# Altium PCB AEX1_PiOBD_V0.2_ALLPCB_6L.PcbDoc (part 3 of 4) (continued)
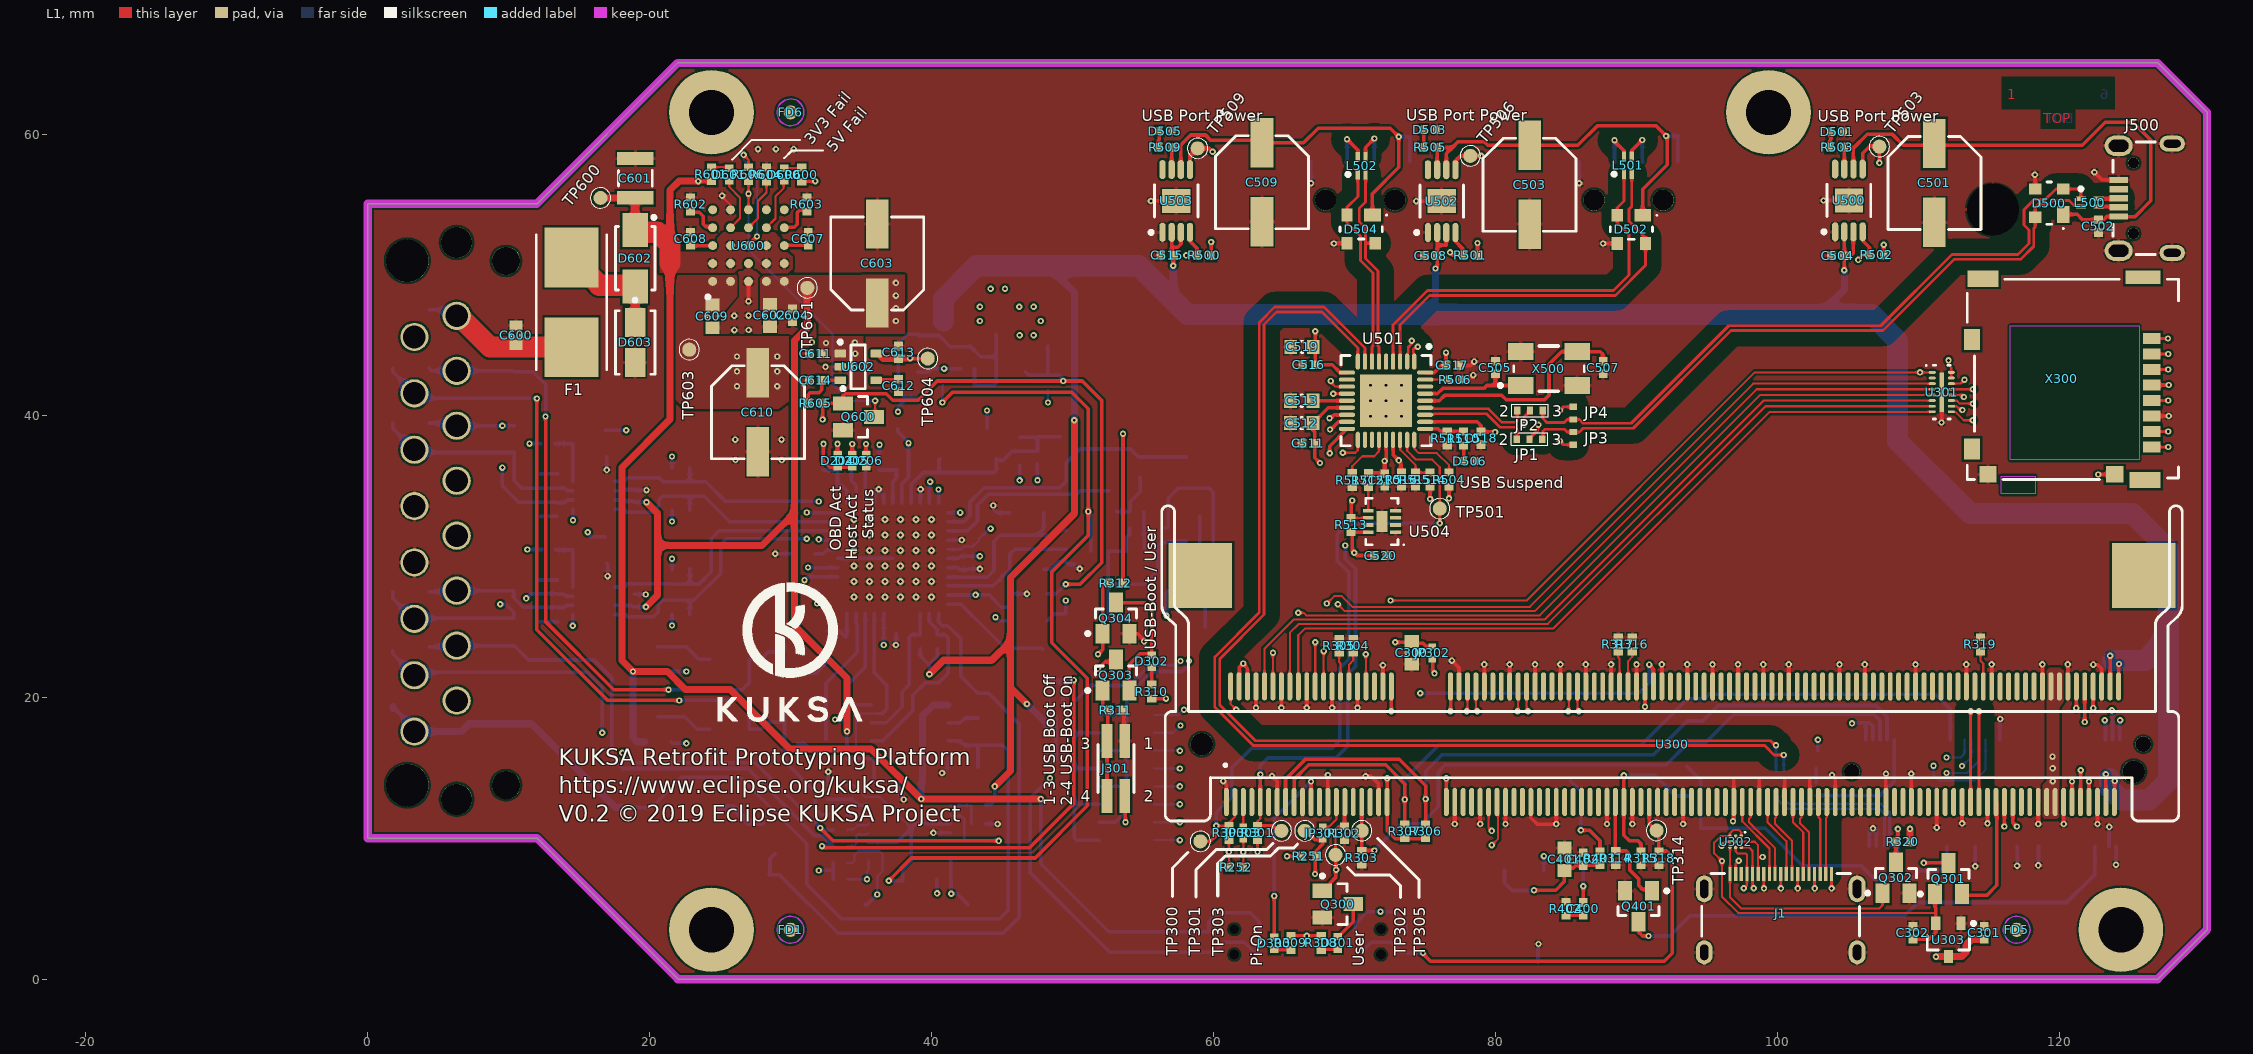
[diagram p0: L1 view]
## Nets (pads, with @x,y where several pads share a name; then routed paths per layer and width w, separated by ;. In a path a pad name is that pad's centre, name@x,y a point inside that pad or via, vN(x,y) a via of type N, cw(c..) or ccw(c..) an arc to the next point about the centre after c; other vN are vias at no path point) (continued)
  L6 w0.25: C204.2@18.897,27.346 19.711,27.346 v1(19.73,27.327) ; U203.26@41.15,31.192 v1(42.15,31.192) ; P400.3@106.546,9.479 106.546,10.484 v1(106.796,10.734) 107.046,10.484 P400.5@107.046,9.479
  L6 w0.254: Q208.S@16.958,29.535 17.018,29.475 v1(17.018,28.635) ; v1(16.958,36.17) Q212.S@16.958,37.086 ; U206.2@17.578,34.685 18.255,34.685 18.35,34.779 C210.2@18.862,34.779 18.907,34.735 v1(19.783,34.735) ; v1(28.919,30.218) 28.92,30.217 C209.1@30.15,30.217 ; R209.2@32.654,13.809 32.664,13.819 32.664,14.744 v1(32.674,14.754) ; U203.6@33.35,29.892 U203.45@37.25,29.892 ; U203.15@35.95,33.792 35.95,34.489 v1(36.256,34.795) 36.6,34.451 U203.16@36.6,33.792 ; v1(37.47,23.746) 37.5,23.775 C202.1@37.5,24.586 ; C201.1@37.681,13.919 37.681,13.129 v1(38.027,12.783) ; U203.20@39.2,33.792 39.2,34.765 v1(39.23,34.795) ; v1(40.132,10.414) U200.11@41.323,10.414 ; v1(40.755,14.663) 41.175,15.083 U201.8@41.175,15.687 ; U203.29@41.15,29.242 41.856,29.242 42.018,29.08 42.557,29.08 C207.1@42.618,29.141 43.427,29.141 v1(43.434,29.148) ; R249.1@43.823,11.064 43.835,11.053 44.678,11.053 v1(44.69,11.042) ; v1(44.384,33.643) 44.384,33.421 44.684,33.122 X200.2@45.564,33.122 ; U202.3@45.675,27.375 46.761,27.375 v1(46.764,27.372) ; X200.4@47.964,29.122 48.497,29.122 49.015,29.64 C215.2@49.547,29.64 49.73,29.457 50.163,29.457 50.462,29.158 v1(50.515,29.158) ; v1(66.921,56.512) 66.923,56.513 J502.4@66.923,58.018 ; X400.7@83.032,1.241 83.032,2.498 v1(83.066,2.531) ; v1@85.959,56.513 J501.4@85.959,58.018 ; P400.11@108.546,9.479 108.546,8.072 108.565,8.053 ; P400.33@114.046,9.479 114.046,8.062 v1(114.055,8.053) ; P400.40@115.796,17.029 115.796,18.469 v1(115.824,18.497) ; v1(117.025,8.083) 117.046,8.104 P400.45@117.046,9.479 ; v1(118.531,8.11) 118.546,8.125 P400.51@118.546,9.479 ; P400.71@123.546,9.479 123.546,10.827 v1(123.559,10.84) ; v1(124.046,8.161) P400.73@124.046,9.479
  other v1: 99.064,6.479 101.464,6.479 102.664,6.479 111.325,10.792 78.931,11.042 80.731,11.042 87.931,11.042 89.731,11.042 93.331,11.042 118.531,11.042 120.331,11.042 122.731,11.042 79.219,22.372 81.019,22.372 82.819,22.372 84.619,22.372 86.419,22.372 88.219,22.372 90.019,22.372 91.819,22.372 93.619,22.372 95.419,22.372 97.219,22.372 99.019,22.372 100.819,22.372 104.419,22.372 106.219,22.372 109.819,22.372 113.419,22.372 115.219,22.372 118.819,22.372 120.619,22.372 26.088,36.872 29.372,36.872 26.069,38.32 29.353,38.32 32.482,43.48 34.589,43.48 31.517,45.235 26.013,46.091 27.026,46.102 26.002,47.103 27.014,47.115 85.957,56.512 27.686,58.928 28.956,58.928 30.226,58.928
  other v2: 34.5,27.142 35.6,27.142 36.7,27.142 37.8,27.142 38.9,27.142 40,27.142 34.5,28.242 35.6,28.242 36.7,28.242 37.8,28.242 38.9,28.242 40,28.242 34.5,29.342 35.6,29.342 36.7,29.342 37.8,29.342 38.9,29.342 40,29.342 34.5,30.442 35.6,30.442 36.7,30.442 37.8,30.442 38.9,30.442 40,30.442 34.5,31.542 35.6,31.542 36.7,31.542 37.8,31.542 38.9,31.542 40,31.542 34.5,32.642 35.6,32.642 36.7,32.642 37.8,32.642 38.9,32.642 40,32.642 71.15,39.979 72.25,39.979 73.35,39.979 71.15,41.079 72.25,41.079 73.35,41.079 71.15,42.179 72.25,42.179 73.35,42.179
H5V: C302.2 J1.18 Q301.G U302.A1 U302.C1 U303.2 | length 29.2
  L1 w0.15: J1.18@97.054,7.49 97.054,8.208 v1(97.282,8.436) ; U302.A1@97.454,10.185 97.454,10.449 97.285,10.619 96.875,10.619 96.654,10.398 U302.C1@96.654,10.185 95.988,10.185 95.529,9.727 95.529,8.975 v1(96.088,8.416) 96.088,5.88 97.23,4.739 111.176,4.739
  L1 w0.254: C302.2@109.633,2.879 110.78,2.879 111.252,3.35 111.252,3.987 U303.2@111.256,3.992 111.256,5.106 111.206,5.156 Q301.G@111.206,6.079
  L3 w0.15: v1(96.088,8.416) 97.262,8.416 v1(97.282,8.436)
HDMI_CEC: Q301.S U300.171 | length 8.7
  L1 w0.254: Q301.S@113.106,5.979 114.868,5.979 115.586,6.697 115.586,12.546 U300.171@115.525,12.607
HDMI_HPD: J1.19 Q302.G U302.C3 | length 15.6
  L1 w0.15: U302.C3@96.654,9.385 J1.19@96.654,7.49 96.654,5.855 97.467,5.042 107.229,5.042 107.477,5.289 Q302.G@107.477,6.136
HDMI_HPD_N_1V8: Q302.D R320.1 U300.88 | length 40.1
  L1 w0.254: v1@90.625,19.453 U300.88@90.625,20.807 ; Q302.D@108.427,8.436 R320.1@108.427,9.775 108.565,9.913 v1(108.565,10.7)
  L3 w0.254: v1(90.625,19.369) 90.625,16.953 92.346,15.232 103.75,15.232 105.021,16.503 113.25,16.503 114.046,15.707 114.046,13.816 112.022,11.792 109.081,11.792 108.565,11.276 v1(108.565,10.7)
HDMI_SCL: J1.15 U300.175 U302.A3 | length 27.6
  L1 w0.15: U302.A3@97.454,9.385 98,9.385 98.254,9.131 J1.15@98.254,7.49 98.254,6.57 v1(98.336,6.489) ; v1@98.254,6.489 98.254,6.416 v1@98.259,6.412
  L1 w0.254: U300.175@116.725,12.607 116.725,11.154 v1(117.007,10.871)
  L3 w0.254: v1(98.336,6.489) 98.336,9.141 98.674,9.479 115.562,9.479 116.954,10.871 v1(117.007,10.871)
HDMI_SDA: J1.16 U300.173 U302.B3 | length 27.3
  L1 w0.15: U302.B3@97.054,9.385 97.054,9.11 97.217,8.947 97.79,8.947 97.854,8.883 J1.16@97.854,7.49 97.854,6.716 v1(97.627,6.489)
  L1 w0.254: v1(116.125,10.864) U300.173@116.125,12.607
  L3 w0.254: v1(97.627,6.489) 97.854,6.717 97.854,9.475 98.422,10.042 115.303,10.042 v1(116.125,10.864)
HS_CAN_RX: R223.1 TP211.1 U203.10 U206.4 | length 18.3
  L6 w0.254: U206.4@17.578,33.385 18.183,33.385 18.391,33.177 20.203,33.177 20.648,33.622 20.648,34.035 20.916,34.303 R223.1@21.59,34.303 22.86,34.303 ; TP211.1@22.86,33.303 22.86,34.303 ; U203.10@33.35,32.492 31.184,32.492 31.184,32.5 25.679,32.5 23.876,34.303 22.86,34.303
HS_CAN_TX: R221.1 TP212.1 U203.8 U206.1 | length 20.3
  L3 w0.254: v1(32.001,31.239) 32.001,33.928 v1(32.004,33.932)
  L6 w0.254: U206.1@17.578,35.335 17.578,35.366 18.186,35.366 18.437,35.617 20.669,35.617 20.952,35.335 R221.1@21.59,35.335 22.86,35.335 ; TP212.1@22.86,36.331 22.86,35.335 ; v1(32.001,31.239) 32.048,31.192 U203.8@33.35,31.192 ; v1(32.004,33.932) 25.382,33.932 23.979,35.335 22.86,35.335
ISO_K_RX: R212.2 TP203.1 U203.43 | length 9.9
  L6 w0.254: R212.2@32.512,17.067 32.512,21.034 TP203.1@34.046,22.568 34.727,23.249 34.727,25.202 34.65,25.279 U203.43@34.65,25.992
ISO_L_TX: R211.1 TP202.1 U203.44 | length 3.2
  L6 w0.254: R211.1@32.602,24.745 33.463,24.745 TP202.1@33.916,24.292 34,24.375 U203.44@34,25.992
ISO_RX: R204.1 U200.1 U203.21 | length 35
  L3 w0.15: v1(35.418,7.123) 35.418,11.034 40.894,16.51 40.894,33.398 39.878,34.414 v1@39.878,35.136
  L6 w0.15: R204.1@34.028,7.123 v1(35.418,7.123) 35.418,7.667 35.523,7.772 U200.1@35.523,8.464
  L6 w0.254: U203.21@39.85,33.792 39.85,35.275 v1(39.904,35.329)
J1850_BUS+: D102.2 D200.3 P100.2 R228.2 R236.2 R246.2 TP108.1 | length 80.9
  L1 w0.254: v1(32.106,10.768) 32.106,10.756 33.012,9.85 v1(44.766,9.85)
  L3 w0.254: v1(16.632,17.526) v1(18.068,16.09) ; v1(44.766,9.85) 46.326,9.85 49.53,13.054 49.53,23.78 51.561,25.81 v1(56.668,25.81)
  L6 w0.254: TP108.1@1.778,23.31 1.778,23.135 P100.2@3.311,21.601 3.511,21.801 D102.2@10.397,21.801 15.596,21.801 16.632,20.766 v1(16.632,17.526) ; v1(18.068,16.09) 18.768,15.39 27.503,15.39 32.289,10.604 R236.2@33.028,10.604 ; R246.2@43.823,9.869 44.747,9.869 v1(44.766,9.85) ; v1(56.668,25.81) R228.2@56.668,26.67 56.668,27.446 57.26,28.037 D200.3@57.26,29.002
J1850_BUS+_TX: Q211.G R231.2 TP213.1 U203.24 | length 20.7
  L6 w0.254: U203.24@41.15,32.492 42.309,32.492 42.729,32.912 42.729,33.899 43.74,34.91 49.105,34.91 TP213.1@49.547,35.351 49.547,36.656 50.546,37.656 54.102,37.656 54.671,37.087 R231.2@56.789,37.087 58.078,37.087 Q211.G@58.084,37.081
J1850_BUS+_VH: Q210.G U203.25 | length 13.3
  L6 w0.254: U203.25@41.15,31.842 42.553,31.842 43.261,32.549 43.261,33.664 44.039,34.442 50.292,34.442 50.541,34.691 Q210.G@52.602,34.691
J1850_BUS-: D102.1 P100.10 Q213.D R235.2 R237.1 TP104.1 | length 69.7
  L1 w0.254: v1(32.227,9.479) 32.358,9.348 46.94,9.348 50.094,12.502 v1(50.094,21.256)
  L6 w0.254: TP104.1@4.356,23.622 6.232,23.622 P100.10@6.311,23.701 D102.1@10.397,23.701 11.418,22.681 16.049,22.681 17.324,21.406 17.324,15.748 18.086,14.986 26.95,14.986 31.736,10.2 32.306,10.2 R235.2@33.028,9.479 v1(32.227,9.479) ; R237.1@49.306,19.74 49.306,20.221 49.207,20.32 49.207,20.883 Q213.D@48.834,21.256 v1(50.094,21.256)
J1850_BUS-_TX: Q213.G R245.2 TP218.1 U203.33 | length 8.1
  L6 w0.254: U203.33@41.15,26.642 42.097,26.642 TP218.1@44.339,24.4 45.225,23.513 R245.2@46.383,23.513 47.827,23.513 Q213.G@47.884,23.456
K-LINE: D101.2 P100.7 Q204.3 R206.2 R208.1 TP105.1 | length 58.3
  L1 w0.254: v1(12,41.24) 12,24.83 17.018,19.812 v1(22.098,19.812)
  L6 w0.254: TP105.1@1.778,43.369 1.778,43.135 P100.7@3.311,41.601 3.673,41.24 D101.2@10.361,41.24 v1(12,41.24) ; v1(22.098,19.812) 26.578,19.812 27.054,19.336 R208.1@27.054,17.767 27.91,17.767 28.412,18.269 29.419,18.269 Q204.3@29.567,18.417 ; Q204.3@29.567,18.782 Q204.3@29.567,18.417 ; R206.2@33.028,11.71 32.186,11.71 31.75,12.146 31.75,13.311 29.567,15.494 Q204.3@29.567,18.417
MS_CAN_RX: R224.1 TP204.1 U203.11 U204.4 | length 22.7
  L3 w0.254: v1(31.153,31.289) v1(31.153,33.144)
  L6 w0.254: U204.4@17.568,25.91 18.287,25.91 18.456,25.74 20.274,25.74 20.615,26.08 20.615,26.599 20.941,26.925 R224.1@21.59,26.925 22.86,26.925 ; TP204.1@22.86,25.905 22.86,26.925 ; v1(31.153,31.289) 25.451,31.289 25.036,30.875 25.036,28.826 23.136,26.925 22.86,26.925 ; v1(31.153,33.144) 31.05,33.144 31.048,33.142 U203.11@33.35,33.142
MS_CAN_TX: R222.1 TP205.1 U203.9 U204.1 | length 19.9
  L6 w0.254: U204.1@17.568,27.86 18.211,27.86 18.456,28.105 21.557,28.105 R222.1@21.59,28.072 22.86,28.072 ; TP205.1@22.86,29.149 22.86,28.072 ; U203.9@33.35,31.842 24.922,31.842 24.37,31.289 24.37,28.939 23.503,28.072 22.86,28.072
NetC200_2: C200.2 D100.1 P100.1 R202.2 R203.2 TP109.1 U201.7 | length 72.1
  L6 w0.25: TP109.1@1.778,19.369 3.311,17.835 P100.1@3.311,17.601 ; R203.2@18.692,12.212 20.106,12.212 22.255,14.36 26.437,14.36 31.15,9.647 31.15,6.784 33.616,4.318 44.837,4.318 45.437,4.918 ; U201.7@41.175,16.957 41.967,16.957 42.15,16.774
  L6 w0.254: 41.967,16.957 42.027,16.957 42.35,16.634 R202.2@43.3,16.634 ; C200.2@43.275,15.075 43.3,15.1 R202.2@43.3,16.634 ; 45.437,4.918 45.437,16.267 45.063,16.642 R202.2@43.3,16.642 R202.2@43.3,16.634
  L6 w0.5: TP109.1@1.778,19.252 TP109.1@1.778,19.369 ; P100.1@3.311,17.601 6.641,17.601 7.198,18.158 D100.1@8.398,18.158 11.629,18.158 17.576,12.212 R203.2@18.692,12.212
NetC205_2: C205.2 R218.1 | length 1.3
  L6 w0.254: C205.2@12.181,28.353 12.184,28.357 13.455,28.357 R218.1@13.458,28.36
NetC206_2: C206.2 R219.1 | length 1.3
  L6 w0.254: C206.2@12.192,25.41 R219.1@13.462,25.41
NetC209_2: C209.2 U203.7 | length 2.4
  L6 w0.25: 32.65,30.542 U203.7@33.35,30.542
  L6 w0.254: C209.2@31.75,30.217 32.325,30.217 32.65,30.542 U203.7@33.35,30.542
NetC211_2: C211.2 R232.1 | length 1.2
  L6 w0.254: C211.2@12.263,35.876 12.274,35.888 13.45,35.888 R232.1@13.462,35.9
NetC212_2: C212.2 R233.1 | length 1.2
  L6 w0.254: C212.2@12.274,32.866 12.296,32.887 13.398,32.887 R233.1@13.42,32.909
NetC213_1: C213.1 R242.1 U203.17 | length 3.7
  L6 w0.254: R242.1@36.306,36.165 C213.1@37.515,36.165 37.515,35.612 37.25,35.347 U203.17@37.25,33.792
NetC300_2: C300.2 JP302.1 U300.4 U300.6 | length 17.7
  L1 w0.254: U300.4@61.825,20.807 61.843,20.825 61.843,22.156 v1(62.125,22.437) 62.125,22.384 62.407,22.103 62.407,20.825 U300.6@62.425,20.807 U300.6@62.439,20.821 ; v1(72.898,23.94) 74.02,23.94 C300.2@74.072,23.992 74.188,23.876 74.872,23.876 75.126,23.622 75.506,23.622 JP302.1@75.526,23.642
  L3 w0.254: v1(62.125,22.437) 71.395,22.437 v1(72.898,23.94)
NetC400_1: C400.1 R402.2 | length 1.1
  L1 w0.254: R402.2@85.092,4.572 C400.1@86.161,4.572
NetC501_1: C501.1 C502.1 D500.1 J500.1 R503.1 U500.6 U500.7 | length 38
  L1 w0.25: U500.7@104.764,57.515 R503.1@104.764,59.058 105.362,59.058 105.414,59.006 ; U500.6@105.414,57.515 105.414,59.006 ; 108.181,59.974 106.382,59.974 105.414,59.006 ; D500.1@120.306,54.304 121.284,54.304 121.655,53.933 122.781,53.933 C502.1@122.8,53.914 123.163,53.914 123.394,54.145 J500.1@124.23,54.145 125.401,54.145 126.52,55.264 126.52,58.774
  L1 w0.254: 108.181,59.974 108.951,59.204 111.154,59.204 121.655,59.204 123.281,60.83 125.25,60.83 126.52,59.56 126.52,58.774
NetC503_1: C503.1 C506.1 D502.1 J501.1 R505.1 U502.6 U502.7 | length 29.8
  L1 w0.25: U502.7@75.875,57.467 75.875,59.044 R505.1@75.88,59.049 76.962,59.049 ; U502.6@76.525,57.467 76.525,58.612 76.962,59.049 ; D502.1@90.462,54.237 90.462,56.094 92.202,57.834 92.202,59.864 v1(92.125,59.864) 91.413,60.576 87.225,60.576 85.853,59.204 C503.1@82.433,59.204 79.477,59.204 79.21,59.47 77.383,59.47 76.962,59.049
  L6 w0.25: v1@92.202,59.864 C506.1@92.959,59.864 ; J501.1@92.959,58.018 C506.1@92.959,59.864 ; C506.1@93.025,59.864 C506.1@92.959,59.864
NetC505_1: C505.1 U501.33 X500.1 | length 7.8
  L1 w0.254: U501.33@75.025,41.579 75.893,41.579 76.266,41.952 79.198,41.952 79.406,42.16 80.01,42.16 ; C505.1@80.01,42.984 80.01,42.16 ; X500.1@81.81,42.16 80.01,42.16
NetC507_1: C507.1 U501.32 X500.3 | length 16.2
  L1 w0.254: U501.32@75.025,41.079 76.028,41.079 76.403,41.454 80.466,41.454 80.772,41.148 83.498,41.148 83.81,41.46 83.81,43.668 84.702,44.56 X500.3@85.81,44.56 87.455,44.56 87.625,44.39 87.625,43.914 C507.1@87.655,43.884
NetC509_1: C509.1 C514.1 D504.1 J502.1 R509.1 U503.6 U503.7 | length 29.5
  L1 w0.25: U503.7@57.038,57.479 57.038,58.989 R509.1@57.101,59.052 57.688,59.052 ; U503.6@57.688,57.479 57.688,58.828 ; 62.23,59.545 63.283,59.545 C509.1@63.449,59.379 66.393,59.379 67.428,60.414 72.552,60.414 v1(73.152,59.814) 73.152,57.635 71.285,55.768 D504.1@71.285,54.255
  L1 w0.254: 57.688,58.828 57.688,59.052 57.688,59.225 58.394,59.93 59.436,59.93 59.821,59.545 62.23,59.545
  L6 w0.25: v1(73.152,59.814) C514.1@73.9,59.814 ; J502.1@73.923,58.018 C514.1@73.923,59.814
NetC513_2: C513.2 U501.14 | length 2.2
  L1 w0.254: C513.2@67.232,41.079 68.291,41.079 68.293,41.077 69.473,41.077 U501.14@69.475,41.079
NetC607_1: C607.1 U600.E3 | length 1.7
  L1 w0.254: U600.E3@29.554,52.086 29.577,52.109 31.238,52.109 C607.1@31.261,52.133
NetC608_1: C608.1 U600.A3 | length 1.4
  L1 w0.254: C608.1@23.056,52.086 U600.A3@24.474,52.086
NetC612_2: C612.2 U602.4 | length 1.6
  L1 w0.254: U602.4@36.073,42.53 36.112,42.57 37.624,42.57 C612.2@37.663,42.609
NetC614_1: C614.1 R605.1 U602.3 | length 3.7
  L1 w0.254: R605.1@31.271,40.898 31.261,40.908 31.261,41.507 31.41,41.656 32.024,41.656 32.221,41.853 C614.1@32.221,42.53 U602.3@33.523,42.53
NetD101_1: D101.1 P100.15 Q203.3 R207.1 TP101.1 | length 47
  L1 w0.254: v1(12.616,39.963) 12.616,25.41 17.451,20.574 v1(21.336,20.574)
  L6 w0.254: TP101.1@4.356,43.369 4.523,43.201 P100.15@6.311,43.201 10.299,43.201 D101.1@10.361,43.14 11.715,43.14 12.616,42.24 v1(12.616,39.963) ; v1(21.336,20.574) 26.578,20.574 27.054,21.05 R207.1@27.054,22.749 27.91,22.749 28.412,23.251 29.419,23.251 29.567,23.399 Q203.3@29.567,23.764
NetD103_1: D103.1 P100.14 R233.2 TP102.1 U206.6 | length 16
  L3 w0.254: v1(9.552,36.335) 9.552,39.202 9.652,39.303 v1(9.552,39.303)
  L6 w0.254: TP102.1@4.356,39.497 6.116,39.497 P100.14@6.311,39.302 ; P100.14@6.313,39.303 v1(9.552,39.303) ; v1(9.552,36.335) 9.552,35.051 10.723,33.879 R233.2@13.42,33.879 ; v1@9.652,39.303 10.397,39.303 D103.1@10.398,39.304 ; R233.2@13.42,33.844 13.975,33.844 14.166,34.035 U206.6@14.558,34.035
NetD103_2: D103.2 P100.6 R232.2 TP106.1 U206.7 | length 16.7
  L6 w0.254: TP106.1@1.778,39.514 1.778,39.135 P100.6@3.311,37.601 3.572,37.862 3.572,37.404 D103.2@10.398,37.404 10.398,35.4 10.922,34.876 13.975,34.876 14.166,34.685 U206.7@14.558,34.685
NetD104_1: D104.1 P100.11 R219.2 TP103.1 U204.6 | length 11.1
  L6 w0.254: TP103.1@4.356,27.526 6.236,27.526 P100.11@6.311,27.601 6.316,27.596 10.352,27.596 D104.1@10.357,27.591 10.357,27.091 11.032,26.416 13.452,26.416 13.458,26.41 13.892,26.41 14.042,26.56 U204.6@14.548,26.56
NetD104_2: D104.2 P100.3 R218.2 TP107.1 U204.7 | length 17.2
  L3 w0.254: v1(9.398,26.641) 10.806,26.641 11.22,27.056 v1(11.248,27.056)
  L6 w0.15: R218.2@13.456,27.358 R218.2@13.458,27.36
  L6 w0.254: TP107.1@1.778,27.517 1.778,27.061 3.248,25.591 P100.3@3.248,26.047 ; P100.3@3.311,25.601 3.356,25.646 10.312,25.646 D104.2@10.357,25.691 10.357,26.066 9.781,26.641 v1(9.398,26.641) ; v1(11.248,27.056) 11.577,27.385 R218.2@13.458,27.385 ; R218.2@13.458,27.36 13.892,27.36 14.042,27.21 U204.7@14.548,27.21
NetD200_1: D200.1 Q209.3 | length 3.4
  L6 w0.254: Q209.3@59.034,32.873 59.034,30.028 D200.1@59.41,29.652
NetD201_1: D201.1 R228.1 | length 3.2
  L6 w0.254: R228.1@57.668,26.67 59.134,26.67 59.429,26.375 D201.1@59.429,25.008
NetD202_3: D202.3 R237.2 | length 4.4
  L6 w0.254: R237.2@48.306,19.74 48.306,19.206 48.834,18.678 D202.3@48.834,15.612 D202.3@48.893,15.671
NetD204_C: D204.C R239.2 | length 1.7
  L1 w0.254: v1(33.325,38.014) 33.325,37.28 D204.C@33.332,37.273
  L6 w0.254: v1(33.325,38.014) v1@33.331,38.02 ; R239.2@33.331,37.165 v1@33.331,38.02 ; v1@33.331,38.075 v1@33.331,38.02
NetD205_C: D205.C R240.2 | length 1.7
  L1 w0.254: v1(34.37,38.011) 34.37,37.286 D205.C@34.382,37.274
  L6 w0.254: R240.2@34.306,37.165 34.356,37.215 v1@34.356,38.075
NetD206_A: D206.A R241.2 | length 1.7
  L1 w0.254: v1(35.353,38.008) 35.353,37.278 D206.A@35.357,37.274
  L6 w0.254: R241.2@35.306,37.165 35.356,37.215 v1@35.356,38.074
NetD300_A: D300.A R309.2 | length 1.2
  L1 w0.254: D300.A@64.313,2.141 65.469,2.141 R309.2@65.507,2.104
NetD300_C: D300.C U300.21 | length 14.5
  L1 w0.15: U300.21@66.921,12.603 U300.21@66.925,12.607
  L1 w0.254: D300.C@64.313,3.041 v1(64.313,5.938) ; U300.21@66.887,12.569 66.921,12.603 v1(66.921,14.064) ; U300.21@66.925,11.756 U300.21@66.925,12.607
  L6 w0.254: v1(64.313,5.938) 64.313,11.456 v1(66.921,14.064)
NetD301_A: D301.A R308.2 | length 1.2
  L1 w0.254: R308.2@67.653,2.104 67.703,2.154 D301.A@68.817,2.154
NetD301_C: D301.C Q300.D | length 2.8
  L1 w0.254: D301.C@68.817,3.054 68.867,3.054 69.926,4.113 69.926,4.473 69.932,4.478 Q300.D@69.932,5.359
NetD302_A: D302.A R310.1 | length 1.2
  L1 w0.254: R310.1@55.626,20.944 D302.A@55.626,22.136
NetD302_C: D302.C Q303.S Q304.D | length 9.7
  L1 w0.254: Q304.D@53.086,26.754 55.118,26.754 55.626,26.246 D302.C@55.626,23.036 55.548,23.114 54.786,23.114 54.036,22.364 Q303.S@54.036,20.511
NetD400_A: D400.A R400.1 | length 1
  L6 w0.254: D400.A@102.781,13.965 R400.1@102.781,15.007
NetD400_C: D400.C P400.10 | length 8.9
  L6 w0.254: D400.C@102.781,13.065 107.298,13.065 108.296,14.064 P400.10@108.296,17.029
NetD501_A: D501.A R503.2 | length 1.1
  L1 w0.25: R503.2@103.764,59.058 103.764,59.577 103.814,59.627 D501.A@103.814,60.176
NetD503_A: D503.A R505.2 | length 1.3
  L1 w0.25: R505.2@74.88,59.049 74.916,59.085 D503.A@74.916,60.319
NetD505_A: D505.A R509.2 | length 1.2
  L1 w0.25: R509.2@56.101,59.052 56.101,59.572 56.151,59.623 D505.A@56.151,60.216
NetD506_A: D506.A R510.1 | length 1
  L1 w0.254: R510.1@77.6,37.825 77.747,37.825 77.778,37.857 D506.A@77.778,37.029
NetD600_A: D600.A R600.1 | length 1.3
  L1 w0.15: D600.A@29.554,57.572 30.74,57.572 R600.1@30.79,57.622
NetD600_C: D600.C U600.D4 | length 3.9
  L1 w0.15: U600.D4@28.284,53.356 28.933,54.005 28.933,55.595 29.504,56.166 29.504,56.672 D600.C@29.554,56.672
NetD601_A: D601.A R601.1 | length 1.3
  L1 w0.15: R601.1@24.388,57.65 25.576,57.65 D601.A@25.654,57.572
NetD601_C: D601.C U600.B4 | length 3.9
  L1 w0.15: D601.C@25.654,56.672 25.654,56.254 26.416,55.492 26.416,54.028 U600.B4@25.744,53.356
NetD602_A: D602.A D603.1 F1.2 | length 8.4
  L1 w0.5: D603.1@18.971,46.637 D602.A@18.971,49.186
  L1 w1.5: F1.2@14.458,51.249 14.458,51.034 15.613,49.879 15.828,49.879 16.43,49.276 18.761,49.276 18.971,49.486 D602.A@18.971,49.186
NetJ1_14: J1.14 Q301.D U302.A2 | length 17.4
  L1 w0.15: U302.A2@97.454,9.785 98.415,9.785 98.654,9.546 98.654,8.684 ; J1.14@98.654,7.49 98.654,8.678 98.941,8.678 v1(98.968,8.704)
  L1 w0.254: v1(110.406,8.288) 112.065,8.288 Q301.D@112.156,8.379
  L3 w0.254: v1(98.968,8.704) 99.305,9.042 109.652,9.042 v1(110.406,8.288)
NetJ300_2: J300.2 J300.6 J300.10 J300.14 U203.5 | length 71.8
  L3 w0.254: v1(31.242,29.242) 32.296,29.242 32.927,29.873 32.927,36.025 34.209,37.307 56.018,37.307 58.268,35.057 v1(58.268,22.606)
  L6 w0.254: v1(31.242,29.242) U203.5@33.35,29.242 ; J300.14@51.898,11.173 53.051,11.173 53.848,11.969 53.848,14.16 ; J300.10@51.898,13.713 53.401,13.713 53.848,14.16 ; J300.6@51.898,16.253 53.464,16.253 53.848,16.637 ; J300.2@51.898,18.793 53.464,18.793 53.848,19.177 ; v1(58.268,22.606) 58.231,22.568 58.231,22.3 57.794,21.864 55.654,21.864 53.848,20.058 53.848,19.177 ; 53.848,14.16 53.848,16.637 ; 53.848,16.637 53.848,19.177
NetJ300_4: J300.4 J300.8 J300.12 J300.16 R220.1 U203.4 | length 75.9
  L3 w0.254: v1(30.988,28.352) 32.826,28.352 33.331,28.857 33.331,35.814 34.389,36.872 55.838,36.872 57.668,35.042 v1(57.668,22.606)
  L6 w0.15: v1@30.875,28.352 v1(30.988,28.352)
  L6 w0.254: v1(30.988,28.352) 31.228,28.592 R220.1@31.898,28.592 U203.4@33.35,28.592 ; J300.8@51.895,14.986 J300.8@51.898,14.983 50.387,14.983 50.13,15.24 ; J300.16@51.898,9.903 50.295,9.903 50.13,10.068 50.13,12.7 ; J300.12@51.898,12.443 50.387,12.443 50.13,12.7 ; J300.4@51.898,17.523 51.895,17.526 50.434,17.526 50.13,17.222 ; v1(57.668,22.606) 57.361,22.299 55.474,22.299 54.049,20.874 51.278,20.874 50.13,19.726 50.13,17.222 ; 50.13,12.7 50.13,15.24 ; 50.13,15.24 50.13,17.222
NetJ301_3: J301.3 J301.4 Q303.G R311.2 | length 8
  L1 w0.254: Q303.G@52.136,20.511 52.136,19.156 52.586,19.156 R311.2@52.586,19.126 52.519,19.059 52.519,17.003 J301.3@52.451,16.936 J301.4@52.451,13.036
NetJP200_2: JP200.2 R238.1 R239.1 U203.12 | length 3.8
  L6 w0.254: R238.1@32.331,36.165 R239.1@33.331,36.165 JP200.2@33.331,35.095 33.585,35.095 34,34.68 U203.12@34,33.792
NetJP301_1: JP301.1 R251.1 TP208.1 TP303.1 U202.2 U203.32 | length 52.6
  L1 w0.254: TP303.1@66.557,10.56 66.567,10.56 67.185,9.942 JP301.1@67.767,9.942 67.865,9.942 JP301.1@67.869,9.942 ; v1(67.208,7.494) 67.234,7.52 67.234,8.729 R251.1@67.259,8.755 67.259,9.119 67.767,9.627 JP301.1@67.767,9.844
  L3 w0.15: v1(43.128,27.302) 42.519,26.693 42.519,9.457 44.507,7.469 v1@67.208,7.469
  L6 w0.254: U203.32@41.15,27.292 v1@43.118,27.292 ; v1(43.128,27.302) 44.086,27.302 TP208.1@44.34,27.048 44.958,26.43 44.958,26.425 U202.2@45.675,26.425
NetJP301_2: JP301.2 U300.27 | length 2.4
  L1 w0.15: JP301.2@67.767,10.842 68.201,10.842 68.725,11.366 U300.27@68.725,12.607
NetJP303_1: JP303.1 R252.1 TP210.1 U203.27 | length 48.4
  L1 w0.15: R252.1@62.116,7.962 62.125,7.971 v1(62.125,9.051) 62.125,9.955 JP303.1@62.116,9.964
  L3 w0.15: v1(44.196,32.004) 44.196,28.857 45.212,27.841 45.212,24.775 43.829,23.392 43.829,9.76 45.301,8.288 61.782,8.288 62.125,8.631 v1(62.125,9.051)
  L6 w0.15: U203.27@41.15,30.542 42.092,30.542 42.289,30.739 42.916,30.739 43.332,31.156 TP210.1@43.332,31.239 44.04,31.947 44.139,31.947 v1(44.196,32.004)
NetJP303_2: JP303.2 U300.5 | length 1.7
  L1 w0.15: JP303.2@62.116,10.864 U300.5@62.116,12.598
  L1 w0.254: U300.5@62.116,12.598 U300.5@62.125,12.607
NetP400_6: P400.6 R303.2 TP305.1 TP400.1 U300.33 | length 47.1
  L1 w0.254: U300.33@70.525,12.607 TP305.1@70.525,10.569 R303.2@70.525,9.154 v1@71.215,9.154
  L6 w0.254: v1(71.423,9.169) 73.328,11.074 74.76,11.074 75.946,12.26 75.946,14.74 76.446,15.24 92.124,15.24 TP400.1@93.644,16.759 ; TP400.1@93.625,16.994 93.86,16.759 94.853,16.759 96.925,18.831 106.863,18.831 107.296,18.398 P400.6@107.296,17.029